# Altium PCB PCB_Power_Distribution.PcbDoc (part 3 of 3)
Units mm, origin at the board's own origin, x right, y up, seen from the top; angles counter-clockwise.
Board outline 80 x 80 mm, 4 copper layers (Top Layer, GND, POWER, Bottom Layer), stack 1.527 mm thick; 206 components, 111 nets, 596 pads, 345 vias.
Unrouted connection lines stored in the file: 3.
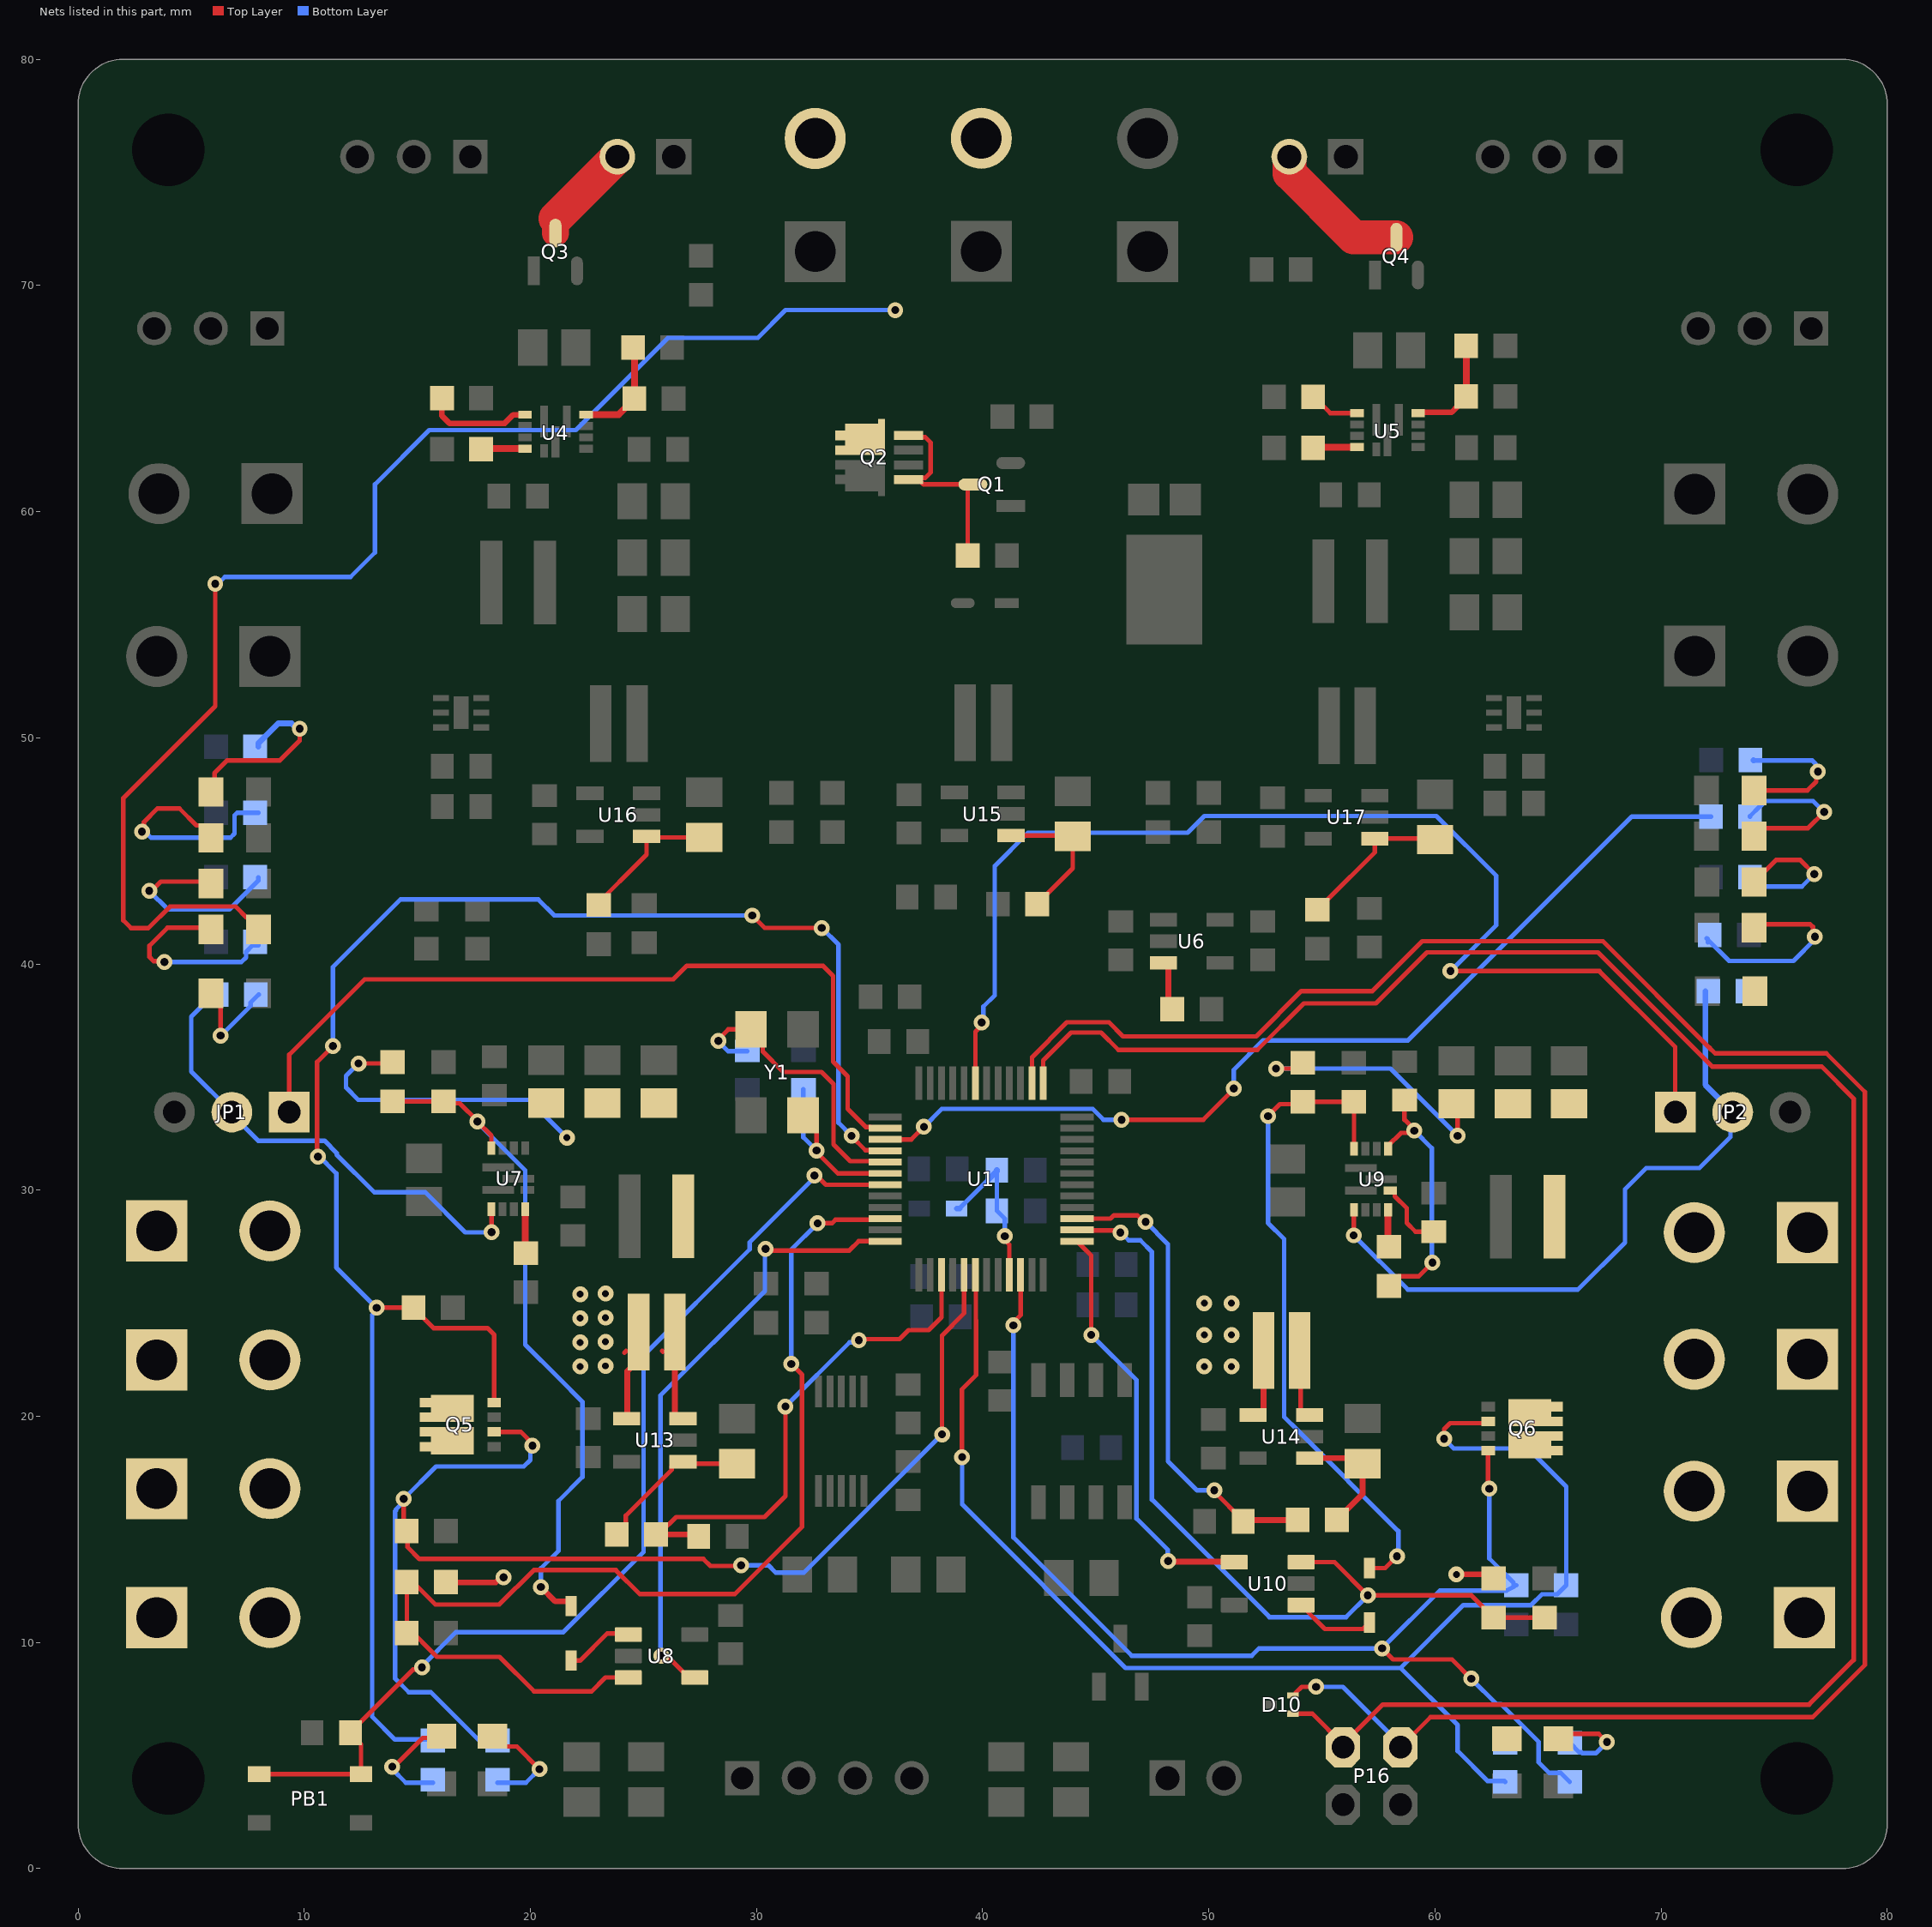
[diagram p5: the nets of this part, all layers, seen from the top]

## Via types
v1: diameter 0.7, hole 0.35, Top Layer to Bottom Layer, 200 vias
v2: diameter 0.7, hole 0.3, Top Layer to Bottom Layer, 132 vias
v3: diameter 0.8, hole 0.4, Top Layer to Bottom Layer, 13 vias

## Nets (pads, with @x,y where several pads share a name; then routed paths per layer and width w, separated by ;. In a path a pad name is that pad's centre, name@x,y a point inside that pad or via, vN(x,y) a via of type N, cw(c..) or ccw(c..) an arc to the next point about the centre after c; other vN are vias at no path point) (continued)
NetC38_2: C38.2 U9.7 | length 3.2
  Top Layer w0.2: U9.7@58.021,29.98 58.146,29.98 58.221,29.905 58.221,29.729 58.748,29.202 58.748,28.553 59.14,28.16 C38.2@59.949,28.16
NetC43_2: C43.2 R47.1 U9.9 | length 11.6
  Top Layer w0.2: U9.9@57.921,31.83 57.921,31.955 58.498,32.532 58.988,32.532 v1(59.084,32.628) 59.084,32.677 58.649,33.112 C43.2@58.649,33.975 ; R47.1@57.957,25.763 58.382,26.188 59.275,26.188 v1(59.885,26.798)
  Bottom Layer w0.2: v1(59.084,32.628) 59.854,31.858 v1@59.854,26.844
NetD1_2: D1.2 R2.1 | length 7.1
  Top Layer w0.2: D1.2@74.111,45.716 D1.2@74.265,45.87 ; D1.2@74.442,46.003 76.491,46.003 v1(77.205,46.717)
  Bottom Layer w0.2: R2.1@73.926,46.517 73.926,46.532 74.351,46.957 74.366,46.957 74.618,47.208 76.714,47.208 v1(77.205,46.717)
NetD3_2: D3.2 R24.1 | length 9.1
  Top Layer w0.2: v1(3.816,40.085) 3.779,40.123 3.335,40.123 3.157,40.301 3.157,40.807 3.95,41.599 5.808,41.599 D3.2@5.878,41.529
  Bottom Layer w0.2: v1(3.816,40.085) 7.224,40.085 7.428,40.289 7.428,40.536 7.718,40.826 7.965,40.826 R24.1@7.965,40.976
NetD4_2: D4.2 R25.1 | length 8.8
  Top Layer w0.2: v1(3.147,43.23) 3.251,43.23 3.659,43.637 5.824,43.637 D4.2@5.878,43.583
  Bottom Layer w0.2: v1(3.147,43.23) 3.973,42.404 6.689,42.404 7.965,43.68 R25.1@7.965,43.83
NetD5_2: D5.2 R26.1 | length 10.5
  Top Layer w0.2: v1(2.824,45.845) 2.912,45.933 2.912,46.276 3.508,46.871 4.483,46.871 5.227,46.126 5.428,46.126 5.878,45.676 D5.2@5.878,45.576
  Bottom Layer w0.2: v1(2.824,45.845) 2.959,45.845 3.219,45.584 6.739,45.584 6.915,45.76 6.915,46.567 7.032,46.684 R26.1@7.965,46.684
NetD6_2: D6.2 R27.1 | length 9
  Top Layer w0.2: D6.2@74.146,41.603 74.296,41.753 76.592,41.753 76.709,41.636 76.709,41.29 v1(76.796,41.203)
  Bottom Layer w0.2: R27.1@72.01,41.125 73,40.136 75.844,40.136 76.796,41.088 v1(76.796,41.203) ; R27.1@72.061,40.958 R27.1@72.061,41.108
NetD7_2: D7.2 R29.1 | length 6.6
  Top Layer w0.2: D7.2@74.111,43.625 75.087,44.6 76.141,44.6 v1(76.77,43.971)
  Bottom Layer w0.2: R29.1@73.926,43.842 74.348,43.42 76.22,43.42 v1(76.77,43.971)
NetD11_2: D11.2 R34.1 | length 8.2
  Top Layer w0.2: D11.2@5.878,47.6 6.033,47.755 6.033,48.433 6.6,49 8.929,49 9.8,49.871 v1(9.8,50.4)
  Bottom Layer w0.254: R34.1@7.965,49.6 7.965,49.75 8.851,50.636 9.443,50.636 9.679,50.4 v1(9.8,50.4)
NetD12_2: D12.2 R36.1 | length 4.6
  Top Layer w0.2: D12.2@5.9,38.7 6.301,38.299 v1(6.301,36.831)
  Bottom Layer w0.2: v1(6.301,36.831) 6.32,36.831 7.629,38.14 7.629,38.29 R36.1@7.987,38.648
NetD13_A: D13.A U8.1 | length 3
  Top Layer w0.2: D13.A@21.8,9.2 22.2,9.2 23.4,10.4 24.275,10.4 U8.1@24.325,10.35
NetD14_2: D14.2 R41.1 | length 4.9
  Top Layer w0.2: v1(13.892,4.509) 13.965,4.509 15.238,5.782 16.003,5.782 D14.2@16.071,5.85
  Bottom Layer w0.2: v1(13.892,4.509) 13.892,4.398 14.49,3.8 R41.1@15.689,3.8
NetD15_2: D15.2 R42.1 | length 4.8
  Top Layer w0.2: D15.2@18.325,5.85 18.775,5.4 19.4,5.4 v1(20.4,4.4)
  Bottom Layer w0.2: R42.1@18.543,3.8 19.8,3.8 v1(20.4,4.4)
NetD16_2: D16.2 R44.1 | length 6.6
  Top Layer w0.2: D16.2@74.111,47.667 76.462,47.667 76.854,48.059 76.854,48.429 v1(76.929,48.504)
  Bottom Layer w0.2: R44.1@74.089,49 76.672,49 76.833,48.838 76.833,48.6 v1(76.929,48.504)
  Bottom Layer w0.254: R44.1@74.077,49.012 R44.1@74.089,49
NetD17_2: D17.2 R46.1
NetD18_A: D18.A U10.1 | length 3.6
  Top Layer w0.2: U10.1@54.075,11.65 55.132,10.593 56.213,10.593 56.819,10.593 D18.A@57.102,10.877
NetD19_2: D19.2 R51.1
NetD20_2: D20.2 R52.1 | length 4.4
  Top Layer w0.2: D20.2@65.454,5.75 65.665,5.961 67.233,5.961 67.594,5.6 v1(67.6,5.6)
  Bottom Layer w0.2: R52.1@65.954,5.565 66.379,5.14 66.475,5.14 66.511,5.104 67.104,5.104 v1(67.6,5.6)
NetJP1_2: JP1.2 R36.2 U7.3 | length 21.2
  Top Layer w0.2: U7.3@18.272,29.154 18.279,29.147 18.279,28.153 v1(18.287,28.146)
  Bottom Layer w0.2: R36.2@5.987,38.648 5.006,37.666 5.006,36.464 5.006,35.243 JP1.2@6.8,33.448 6.8,33.349 7.965,32.183 10.893,32.183 11.436,31.64 11.436,31.564 13.096,29.904 15.351,29.904 17.121,28.135 18.276,28.135 v1(18.287,28.146)
NetJP2_2: JP2.2 R46.2 U9.3 | length 30.5
  Top Layer w0.2: v1(56.4,28) 56.41,28.01 56.41,29.119 U9.3@56.421,29.13
  Bottom Layer w0.2: v1(56.4,28) 58.8,25.6 66.314,25.6 68.396,27.682 68.396,30.036 69.336,30.976 71.69,30.976 73.062,32.348 73.062,32.709 72.839,32.932 72.644,32.932 72.644,33.225 JP2.2@72.421,33.448 ; R46.2@71.95,38.65 R46.2@71.95,38.8
  Bottom Layer w0.254: R46.2@71.95,38.8 71.95,34.658 JP2.2@73.16,33.448
NetP10_2: P10.2 Q3.3 | length 4.5
  Top Layer w1.2: Q3.3@21.108,72.311 21.108,72.953
  Top Layer w1.5: 21.108,72.953 P10.2@23.845,75.69
NetP15_2: P15.2 Q4.3 | length 6.6
  Top Layer w1.5: P15.2@53.555,75.69 53.569,75.676 53.569,74.952 56.391,72.131 Q4.3@58.29,72.131
NetP17_N: P17.N P18.N Q5.6
NetP19_N: P19.N P20.N Q5.8
NetP21_N: P21.N P22.N Q6.6
NetP23_N: P23.N P24.N Q6.8
NetQ1_3: Q1.3 Q2.1 Q2.3 R17.1 | length 8.7
  Top Layer w0.2: Q2.1@36.725,61.415 Q2.1@37.17,61.415 ; Q2.3@36.725,63.365 36.798,63.292 37.455,63.292 37.697,63.05 37.697,61.73 37.455,61.488 Q2.1@37.17,61.488 ; Q2.1@37.147,61.415 Q2.1@37.17,61.415 ; Q1.3@39.25,61.2 37.385,61.2 Q2.1@37.17,61.415 ; R17.1@39.336,58.052 Q1.3@39.336,61.055
NetR13_2: R13.2 U4.3 | length 4.7
  Top Layer w0.25: R13.2@16.092,65.009 16.092,64.234 16.421,63.904 18.864,63.904 19.243,64.282 U4.3@19.761,64.282
NetR16_2: R16.2 R19.1 U4.12 | length 4.7
  Top Layer w0.3: U4.12@22.461,64.282 23.897,64.282 24.6,64.985 R19.1@24.6,65 24.6,67.189 R16.2@24.535,67.254
NetR18_2: R18.2 U4.6 | length 2
  Top Layer w0.3: R18.2@17.822,62.754 17.85,62.782 U4.6@19.761,62.782
NetR20_2: R20.2 U5.3 | length 2.2
  Top Layer w0.2: R20.2@54.611,65.076 54.611,65.061 55.036,64.636 55.084,64.636 55.37,64.35 U5.3@56.55,64.35
NetR22_2: R22.2 R28.1 U5.12 | length 4.7
  Top Layer w0.25: U5.12@59.25,64.35 59.289,64.389 60.735,64.389 60.989,64.644 60.989,64.653 R28.1@61.381,65.044
  Top Layer w0.3: R22.2@61.381,67.322 61.381,65.076 R28.1@61.389,65.068
NetR23_2: R23.2 U5.6 | length 2
  Top Layer w0.3: R23.2@54.611,62.822 54.639,62.85 U5.6@56.55,62.85
NetR30_2: R30.2 U6.3 | length 2.2
  Top Layer w0.254: U6.3@47.997,40.05 48.034,40.05 48.207,39.877 48.207,38.175 R30.2@48.382,38
NetR37_2: R37.2 U7.6 | length 2
  Top Layer w0.3: U7.6@19.772,29.154 19.772,27.243 R37.2@19.8,27.215
NetR47_2: R47.2 U9.6 | length 2
  Top Layer w0.3: U9.6@57.921,29.13 57.921,27.219 R47.2@57.949,27.19
NetR63_2: R63.2 R65.2 U13.1 | length 6.4
  Top Layer w0.2: R63.2@23.822,14.781 24.22,15.179 24.22,15.612 26.249,17.641 26.249,17.795 26.354,17.9 28.549,17.9 R65.2@28.595,17.854
NetR64_2: R64.2 R66.2 U14.1 | length 5.7
  Top Layer w0.254: U14.1@54.45,18.15 56.549,18.15 R66.2@56.795,17.904 ; R64.2@55.659,15.414 55.659,15.429 56.795,16.565 R66.2@56.795,17.904 ; R66.2@57,18 56.904,17.904 R66.2@56.795,17.904
NetR67_2: R67.2 R69.2 U15.1 | length 6.5
  Top Layer w0.2: U15.1@41.25,45.68 41.28,45.68 41.4,45.8 41.52,45.68 43.938,45.68 R69.2@43.984,45.635 43.984,44.234 42.405,42.655 R67.2@42.405,42.64
NetR68_2: R68.2 R70.2 U16.1 | length 6.8
  Top Layer w0.2: R68.2@22.684,42.4 22.699,42.4 25.135,44.836 U16.1@25.135,45.641 25.181,45.595 R70.2@27.684,45.595
NetR71_2: R71.2 R72.2 U17.1 | length 6.9
  Top Layer w0.2: R71.2@54.8,42.4 54.815,42.4 55.24,42.825 55.24,42.84 57.335,44.935 U17.1@57.335,45.541 59.954,45.541 R72.2@60,45.495
NRST: C11.2 PB1.1 U1.7 | length 45.9
  Top Layer w0.2: PB1.1@8.01,4.176 PB1.1@12.51,4.176 12.51,5.49 12.05,5.95 12.05,6.05 14.802,8.802 15.109,8.802 v1(15.204,8.897) ; v1(32.555,30.646) 32.661,30.646 33.068,30.239 U1.7@35.688,30.239
  Bottom Layer w0.2: v1(15.204,8.897) 15.204,8.951 16.712,10.458 21.458,10.458 25,14 25,22.685 29.696,27.381 29.696,27.692 32.555,30.551 v1(32.555,30.646)
OSC_IN: C10.1 U1.5 Y1.3 | length 13.4
  Top Layer w0.2: v1(28.312,36.6) 28.312,36.668 28.752,37.108 Y1.3@29.752,37.108 30.277,36.583 30.277,36.125 31.176,35.227 32.869,35.227 33.401,34.694 33.401,32.015 34.138,31.278 35.051,31.278 35.09,31.239 U1.5@35.688,31.239
  Bottom Layer w0.2: v1(28.312,36.6) 28.312,36.571 28.74,36.143 C10.1@29.582,36.143
OSC_OUT: C12.1 U1.6 Y1.1 | length 8.2
  Top Layer w0.2: Y1.1@32.052,33.308 32.652,32.708 v1(32.652,31.749) ; v1(32.652,31.749) 32.652,31.683 33.596,30.739 U1.6@35.688,30.739
  Bottom Layer w0.2: C12.1@32.07,34.45 32.07,32.331 v1(32.652,31.749)
Pyro1_ASensing: C51.2 R63.1 U1.15 | length 22.2
  Top Layer w0.2: R63.1@25.75,14.85 26.445,15.545 30.348,15.545 31.278,16.475 v1(31.278,20.431) ; v1(34.521,23.364) 34.568,23.411 36.321,23.411 36.721,23.812 37.607,23.812 38.176,24.381 U1.15@38.176,26.251
  Top Layer w0.254: R63.1@25.552,14.781 25.75,14.781 27.093,14.781 C51.2@27.187,14.687
  Bottom Layer w0.2: v1(31.278,20.431) 34.116,23.269 34.425,23.269 v1(34.521,23.364)
Pyro1_Current+: C33.1 C34.1 C35.1 L3.2 R33.1 R35.1 U13.3 | length 17.6
  Top Layer w0.2: v1(12.4,35.6) 13.841,35.6 R35.1@13.9,35.659 ; 25.83,22.887 25.861,22.857
  Top Layer w0.254: R33.1@26.386,23.72 26.386,20.068 26.559,19.895 U13.3@26.749,19.895
  Bottom Layer w0.2: v1(12.4,35.6) 11.847,35.047 11.847,34.533 12.386,33.995 19.939,33.995 v2(21.615,32.318)
Pyro1_Current-: P17.P P18.P P19.P P20.P R33.2 R56.2 U13.4 | length 7.1
  Top Layer w0.2: U13.4@23.95,19.8 U13.4@24.15,20 ; 24.15,22.807 24.23,22.887
  Top Layer w0.254: R56.2@16.265,12.7 16.313,12.652 18.468,12.652 18.693,12.877 v1(18.814,12.877) ; U13.4@24.249,19.895 24.286,19.932 24.286,21.995 24.786,22.495 R33.2@24.786,23.72
  other v2: 22.2,22.2 23.322,22.226 22.2,23.267 23.322,23.293 22.2,24.333 23.322,24.359 22.2,25.4 23.322,25.426
Pyro1_DAC: U1.12 U8.4 | length 27.4
  Top Layer w0.2: v1(25.784,9.418) 25.88,9.323 26.127,9.323 27.054,8.396 U8.4@27.329,8.396 ; v1@30.4,27.382 30.451,27.331 34.106,27.331 34.513,27.739 U1.12@35.688,27.739
  Top Layer w0.254: U8.4@27.275,8.45 U8.4@27.329,8.396
  Bottom Layer w0.2: v1(25.784,9.418) 25.751,9.451 25.751,20.923 30.367,25.539 30.367,27.367 v1(30.4,27.4)
Pyro1_FB: D13.C R35.2 R38.1 U7.12 | length 30.6
  Top Layer w0.2: R35.2@13.9,33.929 R38.1@16.154,33.929 16.241,33.842 16.877,33.842 17.659,33.06 v1(17.659,33.03) 18.272,32.417 U7.12@18.272,31.854
  Top Layer w0.254: v1(20.465,12.452) 21.104,11.813 21.677,11.813 21.8,11.69 D13.C@21.8,11.613
  Bottom Layer w0.2: v1(17.659,33.03) 17.659,32.984 19.772,30.872 19.772,23.172 21.239,21.705 22.3,20.644 22.3,17.315 21.239,16.254 21.239,15.985 21.239,14.052 20.465,13.278 v1(20.465,12.452)
Pyro1_VSensing: R56.1 R61.1 U1.10 U8.3 | length 51
  Top Layer w0.2: U8.3@24.325,8.45 23.317,8.45 22.704,7.837 20.163,7.837 18.634,9.366 15.867,9.366 14.535,10.698 14.535,12.685 14.535,12.937 15.799,11.673 18.621,11.673 20.147,13.199 23.779,13.199 24.841,12.137 29.033,12.137 32.013,15.117 32.013,21.834 v1(31.533,22.314) ; v1(32.697,28.535) 33.335,28.535 33.493,28.693 35.642,28.693 U1.10@35.688,28.739
  Bottom Layer w0.2: v1(31.533,22.314) 31.533,27.371 v1(32.697,28.535)
Pyro1A_EN: Q5.4 R39.1 R41.2 U1.4 | length 81.4
  Top Layer w0.2: v1(10.601,31.479) 10.567,31.514 10.567,35.663 v1(11.27,36.367) ; v1(13.2,24.8) R39.1@14.835,24.8 14.835,24.785 15.72,23.9 18.1,23.9 18.4,23.6 Q5.4@18.4,20.611 ; v1(29.811,42.142) 30.359,41.594 v1@32.878,41.594 ; v1(34.2,32.4) 34.2,32.377 34.815,31.762 35.665,31.762 U1.4@35.688,31.739
  Bottom Layer w0.2: v1(10.601,31.479) 10.676,31.479 11.015,31.14 ; 11.015,31.139 11.416,30.739 11.416,26.584 v1(13.2,24.8) ; v1(11.27,36.367) 11.27,39.87 14.253,42.853 20.345,42.853 21.056,42.142 v1(29.811,42.142) ; v1@13.243,24.757 v1(13.2,24.8) ; R41.2@15.689,5.665 15.642,5.711 14.01,5.711 13.002,6.719 13.002,24.481 13.2,24.679 v1(13.2,24.8) ; v1(32.883,41.59) 33.623,40.849 33.623,32.977 v1(34.2,32.4)
Pyro1B_EN: Q5.2 R40.1 R42.2 U1.17 | length 59.1
  Top Layer w0.2: v1(14.398,16.349) 14.398,15.073 R40.1@14.535,14.937 14.567,14.904 14.567,14.214 15.088,13.693 27.651,13.693 27.957,13.386 29.287,13.386 v1(29.315,13.415) ; Q5.2@18.4,19.311 19.57,19.311 20.092,18.789 v1(20.092,18.705) ; v1(38.2,19.2) 38.2,23.57 39.176,24.546 U1.17@39.176,26.251
  Bottom Layer w0.2: R42.2@18.543,5.665 17.735,5.665 15.6,7.8 14.625,7.8 14.014,8.411 14.014,15.795 14.056,15.837 14.056,15.887 14.398,16.229 v1(14.398,16.349) 15.829,17.78 19.706,17.78 19.996,18.071 19.996,18.609 v1(20.092,18.705) ; v1(29.315,13.415) 30.523,13.415 30.853,13.084 32.084,13.084 v1(38.2,19.2)
Pyro1Reg_EN: JP1.1 U1.2 | length 36.5
  Top Layer w0.2: JP1.1@9.34,33.448 9.34,35.988 10.196,36.844 12.671,39.319 26.318,39.319 26.916,39.917 32.933,39.917 33.38,39.471 33.38,35.677 34.025,35.032 34.025,33.59 34.826,32.789 35.051,32.789 35.094,32.745 U1.2@35.682,32.745
Pyro2_ASensing: C52.2 R64.1 U1.27 | length 21.1
  Top Layer w0.2: U1.27@44.164,28.739 44.168,28.735 45.652,28.735 45.802,28.884 46.833,28.884 47.117,28.6 v1(47.2,28.6) ; v1(50.24,16.726) 50.24,16.674 51.514,15.399 C52.2@51.514,15.349
  Top Layer w0.254: C52.2@51.514,15.349 51.579,15.414 R64.1@53.929,15.414
  Bottom Layer w0.2: v1(47.2,28.6) 48.194,27.606 48.194,18.011 49.478,16.726 v1(50.24,16.726)
Pyro2_Current+: C40.1 C41.1 C42.1 L4.2 R43.1 R45.1 U14.3 | length 15.1
  Top Layer w0.2: v1(52.972,35.371) 53.886,35.371 R45.1@54.149,35.634 ; R43.1@54.014,22.914 54.062,22.866 54.062,20.25 54.262,20.05 U14.3@54.45,20.05 ; C40.1@60.949,33.819 61,33.768 v1(61,32.4)
  Bottom Layer w0.2: v1(52.972,35.371) 58.029,35.371 v1(61,32.4)
Pyro2_Current-: P21.P P22.P P23.P P24.P R43.2 R57.2 U14.4 | length 5.1
  Top Layer w0.2: R43.2@52.339,22.839 R43.2@52.414,22.914
  Top Layer w0.254: U14.4@51.95,20.05 52.241,20.05 52.414,20.223 R43.2@52.414,22.914 ; v2(60.942,13.01) 62.408,13.01 R57.2@62.586,12.833
  other v2: 49.8,22.2 51,22.2 49.8,23.6 51,23.6 49.8,25 51,25
Pyro2_DAC: U1.25 U10.4 | length 18.8
  Top Layer w0.2: U1.25@44.164,27.739 44.8,27.103 v1(44.8,23.6)
  Top Layer w0.254: v1(48.2,13.6) 48.225,13.575 51.1,13.575 U10.4@51.125,13.55
  Bottom Layer w0.2: v1(44.8,23.6) 46.8,21.6 46.8,16.358 46.801,16.357 46.801,15.479 48.18,14.1 48.18,13.635 v1@48.208,13.608
Pyro2_FB: D18.C R45.2 R48.1 U9.12 | length 29.3
  Top Layer w0.2: v1(52.614,33.269) 53.144,33.8 54.045,33.8 R45.2@54.149,33.904 R48.1@56.403,33.904 56.421,33.886 U9.12@56.421,31.83 ; D18.C@57.102,13.29 57.794,13.29 v1(58.316,13.812)
  Bottom Layer w0.2: v1(52.614,33.269) 52.614,28.556 53.331,27.839 53.331,19.969 53.933,19.367 58.377,14.923 v1@58.377,13.908
Pyro2_VSensing: R57.1 R62.1 U1.26 U10.3 | length 37.9
  Top Layer w0.2: U1.26@44.8,28.217 44.802,28.216 45.797,28.216 45.886,28.127 v1(46.086,28.127) ; U10.3@54.075,13.55 55.557,13.55 v1(57.027,12.08) 61.609,12.08 R57.1@62.586,11.103 R62.1@64.84,11.103
  Bottom Layer w0.2: v1(46.086,28.127) 46.108,28.127 46.454,27.781 46.969,27.781 47.484,27.266 47.484,16.316 52.678,11.122 56.068,11.122 v1(57.027,12.08)
Pyro2A_EN: Q6.2 R49.1 R51.2 U1.18 | length 62.2
  Top Layer w0.2: v1@39.083,18.2 39.083,21.195 39.704,21.816 39.704,24.247 39.7,24.251 39.7,26.227 U1.18@39.676,26.251 ; v1(60.4,19) 60.4,19.426 60.667,19.694 62.263,19.694 Q6.2@62.346,19.777
  Bottom Layer w0.2: v1(39.087,18.196) 39.087,16.106 46.32,8.873 58.473,8.873 ; v1(60.4,19) 60.827,18.573 64.118,18.573 65.8,16.892 R49.1@65.8,12.53 65.402,12.132 64.729,12.132 64.249,11.652 61.252,11.652 58.473,8.873 ; R51.2@63.1,3.835 63.063,3.872 62.328,3.872 61,5.2 61,6.347 58.473,8.873
Pyro2B_EN: Q6.4 R50.1 R52.2 U1.22 | length 55.1
  Top Layer w0.2: v1(41.356,24.021) 41.356,24.157 41.676,24.477 U1.22@41.676,26.251 ; v1(57.656,9.738) 58.146,9.249 60.751,9.249 v1(61.6,8.4) ; Q6.4@62.346,18.477 62.346,16.854 v1(62.4,16.8)
  Bottom Layer w0.2: v1(41.356,24.021) 41.356,14.646 46.59,9.411 51.892,9.411 52.219,9.738 v1(57.656,9.738) 60.21,12.292 63.16,12.292 R50.1@63.5,12.476 ; v1(61.6,8.4) 62.73,7.27 62.922,7.27 64.579,5.613 64.579,4.7 65.046,4.233 65.556,4.233 R52.2@65.954,3.835 ; v1(62.4,16.8) 62.4,13.715 63.471,12.644 63.471,12.53 R50.1@63.6,12.53
Pyro2Reg_EN: JP2.1 U1.43 | length 53.4
  Top Layer w0.2: U1.43@39.676,34.727 39.676,37.002 39.948,37.274 v1(39.948,37.409) ; v1(60.679,39.684) 67.267,39.684 70.62,36.331 JP2.1@70.62,33.448
  Bottom Layer w0.2: v1(39.948,37.409) 40.031,37.492 40.031,38.111 40.528,38.609 40.528,44.329 41.999,45.8 49.058,45.8 49.8,46.542 60.058,46.542 62.7,43.9 62.7,41.705 v1(60.679,39.684)
SWCLK: D10.2 P16.1 U1.38 | length 96.9
  Top Layer w0.2: U1.38@42.176,34.727 42.176,35.874 43.72,37.417 45.583,37.417 46.2,36.8 52.088,36.8 54.088,38.8 57.231,38.8 59.438,41.007 67.425,41.007 72.14,36.291 ; D10.2@53.724,7.658 53.849,7.658 53.849,7.783 54.104,8.038 v1(54.742,8.038) ; P16.1@58.47,5.37 59.8,6.7 76.705,6.7 79.005,9 79.005,34.339 77.298,36.046 72.377,36.046 72.14,36.283
  Bottom Layer w0.2: v1(54.742,8.038) 55.929,8.038 58.47,5.497 P16.1@58.47,5.37
SWDIO: D10.1 P16.3 U1.37 | length 94
  Top Layer w0.2: U1.37@42.676,34.727 42.676,35.732 43.908,36.963 45.237,36.963 46,36.2 52.142,36.2 54.198,38.256 57.38,38.256 59.637,40.513 67.2,40.513 72.249,35.464 77.091,35.464 78.509,34.046 78.509,9.226 76.537,7.254 57.687,7.254 P16.3@55.93,5.497 ; D10.1@53.716,6.85 54.577,6.85 P16.3@55.93,5.497 ; P16.3@55.93,5.37 P16.3@55.93,5.497
Test_LED1: R2.2 U1.3 | length 43.3
  Top Layer w0.2: U1.3@35.688,32.239 36.839,32.239 v1(37.4,32.8) ; v1(46.138,33.11) 49.75,33.11 51.101,34.462 v1(51.101,34.496)
  Bottom Layer w0.2: v1(37.4,32.8) 38.191,33.591 44.861,33.591 45.342,33.11 v1(46.138,33.11) ; v1(51.101,34.496) 51.101,35.321 52.4,36.62 58.809,36.62 68.706,46.517 69.982,46.517 R2.2@72.196,46.517
VDDA: C8.2 C9.2 FB1.2 U1.21 | length 7.3
  Top Layer w0.2: v1@40.977,27.926 40.977,27.791 41.176,27.591 U1.21@41.176,26.251
  Bottom Layer w0.2: FB1.2@38.976,29.189 C8.2@40.253,30.466 ; C8.2@40.626,30.839 C9.2@40.626,29.089 40.977,28.738 v1@40.977,27.926
  Bottom Layer w0.254: FB1.2@38.851,29.189 FB1.2@38.976,29.189 ; C8.2@40.253,30.466 40.626,30.839 C8.2@40.626,30.889
  other v1: 40.977,27.965
VS_GND: D3.1 P12.N P14.N Q2.5 | length 60.4
  Top Layer w0.2: v1(6.065,56.806) 6.065,51.4 2.001,47.336 2.001,41.923 2.343,41.581 3.108,41.581 4.067,42.54 6.966,42.54 7.455,42.052 7.555,42.052 7.978,41.629 D3.1@7.978,41.529
  Bottom Layer w0.2: v1(6.065,56.806) 6.186,56.806 6.49,57.11 12.045,57.11 13.126,58.191 13.126,61.201 15.532,63.607 22.004,63.607 26.078,67.681 30.055,67.681 31.284,68.909 v1(36.133,68.909)
pads on no net: Q2.2 U1.16 U1.32 U1.42 U1.46 U4.4 U4.5 U4.10 U5.4 U5.5 U5.10 U6.4 U7.4 U7.5 U7.10 U9.4 U9.5 U9.10 U11.2 U11.Z1 U12.2 U12.Z1

## Polygon pours and split planes (outlines as drawn)
VS_GND on Top Layer "+11VS" (solid, pour order 180): 30,62.45 36.77,62.45 41.544,62.414 41.544,78.937 30,78.933
+11VU on Top Layer "+11VU" (solid, pour order 181): 41.8,61.008 40.5,61.008 40.5,59.49 41.8,59.49 50.4,59.49 50.4,78.933 41.8,78.939
GND on Top Layer "GND_U6_1" (solid, pour order 152): 19.001,30.718 18.645,30.718 18.645,30.639 17.413,30.639 11.4,30.639 11.4,32.468 11.4,34.376 12.956,34.376 12.956,32.468 17.892,32.468 17.892,31.428 18.508,31.428 18.508,32.274 19.001,32.274 19.001,31.428
Pyro2_Current+ on Top Layer "DroguePyro_Current+" (solid, pour order 182): 53.459,21.096 56.8,21.096 56.8,22.249 66.16,22.288 66.16,25.4 68.4,25.4 68.4,34.497 59.933,34.497 59.933,31.688 64.312,31.688 64.312,25.92 56.8,25.92 56.8,24.538 56.8,26 53.459,26
+11V_Pyro1 on Top Layer "+11V_PyroMain" (solid, pour order 171): 19.272,30.296 12.375,30.296 12.375,25.832 17.622,25.832 17.622,29.517 19.272,29.517
GND on Top Layer "GND_U6_2" (solid, pour order 168): 27.54,34.794 15.254,34.794 15.254,36.855 13.107,36.855 13.107,39.064 21.8,39.064 21.8,38.088 27.54,38.088
GND on Top Layer "GND_full" (solid, pour order 197): 15.555,14.037 22.783,14.037 22.783,17.315 21.848,17.315 21.848,18.881 23.5,18.881 23.5,21.006 18.047,21.006 18.047,16.707 15.594,16.707 15.555,16.667
GND on Top Layer "GND_full" (solid, pour order 195): 56.945,16.052 56.938,18.8 56.938,22.075 62.8,22.075 62.8,17.77 61.4,17.77 61.4,16.041
GND on Top Layer "GND_U5_1" (solid, pour order 176): 58.058,64.051 58.198,64.051 58.198,63.352 58.812,63.352 58.812,64.706 59.997,64.706 59.997,64.836 59.997,68.357 63.4,68.357 63.4,74.203 58.058,74.203
GND on Top Layer "GND_U4_1" (solid, pour order 174): 21.316,63.985 21.433,63.985 21.433,63.286 22.004,63.286 22.004,64.594 23.255,64.594 23.255,64.77 23.255,68.291 28.611,68.291 28.611,71.247 21.316,71.247
11V_Current- on Top Layer "11V Entrada 5V" (solid, pour order 154): 21,66.146 21.111,66.146 21.111,63.93 20.798,63.93 20.798,63.286 20.307,63.286 20.307,64.714 18.757,64.714 18.757,65.909 18.757,64.109 17.2,64.109 17.2,66 10.025,66 10.025,69.763 21,69.763
11V_Current+ on Top Layer "Top Layer-11V_Current+" (solid, pour order 184): 40.25,48.479 50.8,48.479 50.8,59.262 43.378,59.262 40.25,59.262
11V_Current- on Top Layer "11V_Current -" (solid, pour order 153): 39.724,52.311 39.724,54.972 29.577,54.972 29.577,48.476 39.724,48.476
GND on Top Layer "GND_full" (solid, pour order 200): 30,55.306 40.091,55.306 40.091,57.2 38.401,57.2 38.401,60.787 35.947,60.787 35.947,62.325 30,62.325
3V3_Current- on Top Layer "3V3 Top" (solid, pour order 160): 55.8,53.112 51.036,53.112 51.036,48.486 55.8,48.486
Pyro1_Current+ on Top Layer "Main Pyro pre sensado" (solid, pour order 173): 25.571,20.937 27.312,20.937 27.4,20.937 29.315,20.937 29.315,28.224 28.886,28.224 28.886,32.516 28.312,32.516 28.312,34.649 19.884,34.649 19.884,32.516 20.244,32.516 20.244,31.505 20.955,31.505 21.042,31.505 25.571,31.505 25.571,26.362
NetP19_N on Top Layer "Main Pyro Redundant" (solid, pour order 163): 5.638,19.509 5.638,7.542 5.638,7.195 13.002,7.195 13.002,17.032 17.712,17.032 17.712,19.509
NetP17_N on Top Layer "Main Pyro" (solid, pour order 164): 5.645,30.46 5.645,19.72 17.707,19.72 17.707,23.2 12,23.2 12,23.4 12,30.8 5.645,30.8
Pyro1_Current- on Top Layer "Main Pyro post sensado" (solid, pour order 167): 25.41,26.211 21,26.211 21,21.134 25.41,21.134
NetP21_N on Top Layer "Salida Drogue Redundant" (solid, pour order 161): 63.078,19.34 74.507,19.34 74.507,7.878 65.6,7.878 65.6,16 65.4,16 63.078,16
3V3_Current+ on Top Layer "3V3 pre sensado" (solid, pour order 159): 55.559,54.7 55.559,59.859 51.031,59.859 51.031,53.233 56.364,53.233 56.364,48.479 61,48.479 61,49.2 61,53.582 61.987,53.582 61.987,61.326 58.989,61.326 58.989,54.7
5V_Current- on Top Layer "5V Top" (solid, pour order 157): 23.915,48.505 19.6,48.505 19.6,52.689 19.711,52.689 23.915,52.689
5V_Current+ on Top Layer "5V pre sensado" (solid, pour order 156): 18.862,59.6 11.2,59.6 11.2,52.8 24.224,52.8 24.224,48.472 29.378,48.472 29.378,54.459 28.979,54.459 25.172,54.459 25.172,61.47 22.454,61.47 22.454,54.709 22.092,54.709 18.862,54.709
NetP23_N on Top Layer "Salida Drogue" (solid, pour order 162): 63.084,19.534 63.084,22.074 66.4,22.074 66.4,25 66.4,25.152 68.6,25.152 68.6,30.729 74.496,30.729 74.496,19.534
11V_Current- on Top Layer "11V Entrada 3V3" (solid, pour order 158): 57.911,63.193 56.919,63.193 56.919,64.748 56.386,64.748 55.571,64.748 55.571,66.109 53.748,66.109 53.748,63.832 50.585,63.832 50.585,69.409 57.911,69.409 57.911,67.832 57.911,66.493
GND on Top Layer "GND_U4_2" (solid, pour order 175): 22.161,63.422 25.657,63.422 25.657,54.618 29.378,54.618 29.378,65.9 27.215,65.9 25.465,65.9 25.465,63.989 22.161,63.989
GND on Top Layer "GND_U5_2" (solid, pour order 177): 58.938,63.527 62.433,63.527 62.433,53.609 69.319,53.609 69.319,66.05 63.992,66.05 62.242,66.05 62.242,64.139 58.938,64.139
GND on Top Layer "GND_U8_2" (solid, pour order 169): 55.503,36.569 55.503,34.769 67.2,34.769 67.2,39.052 61,39.052 61,37.8 55.503,37.8
Pyro2_Current- on Top Layer "Drogue Pyro post sensado" (solid, pour order 166): 53.214,25.986 53.2,26 49,26 49,21 49,20.964 53.214,20.964
GND on Top Layer "GND_U8_1" (solid, pour order 172): 57.158,31.403 57.158,32.221 56.674,32.221 56.674,31.403 55.679,31.403 55.679,32.275 54.903,32.275 49.064,32.275 49.064,30.525 55.346,30.525 55.346,30.739 57.324,30.739 57.324,31.403
+11V_Pyro_2 on Top Layer "+11V_Pyro_Drogue" (solid, pour order 170): 57.147,30.329 49.059,30.329 49.059,26.353 55.717,26.353 55.717,29.554 57.147,29.554
NetC31_1 on Top Layer "Main Pyro prefiltrado" (solid, pour order 179): 18.771,30.331 20.301,30.331 20.301,29.838 20.702,29.838 20.702,29.565 20.702,29.056 22.76,29.056 22.76,26.505 25.325,26.505 25.325,26.629 25.325,31.281 19.49,31.281 19.49,30.7 18.771,30.699
NetC23_1 on Top Layer "3V3 pre filtrado" (solid, pour order 178): 58.077,63.907 57.725,63.907 57.725,61.945 56.209,61.945 56.209,55.031 58.813,55.031 58.813,63.216 58.077,63.216
NetC17_1 on Top Layer "5V pre filtrado" (solid, pour order 155): 21.291,63.779 20.937,63.779 20.937,61.818 19.403,61.818 19.403,54.904 22.2,54.904 22.2,61.962 22.038,61.962 22.038,63.148 21.291,63.148
NetC38_1 on Top Layer "Drogue Pyro pre sensado" (solid, pour order 165): 57.569,30.121 58.806,30.121 58.806,28.897 61.021,28.897 61.021,26.105 64.049,26.105 64.049,30.875 64.049,31.4 60.65,31.4 57.569,31.4
5V_Current- on POWER "POWER-5V_Current-" (solid, pour order 189): 7.217,56.861 12.8,56.861 12.8,39.063 19.172,39.063 19.172,26.646 24.019,26.646 24.019,20.967 19.172,20.967 19.172,7.33 27.384,7.33 30.6,7.33 30.6,9.4 30.412,9.4 30.2,9.4 28.6,9.4 28.6,31.563 32.5,31.563 32.509,31.554 32.649,31.695 32.649,41.318 50,41.318 50,44 54.421,44 54.421,33.233 44.521,33.233 44.521,23.328 38.811,23.328 38.811,16.2 45.677,16.2 45.677,11.4 50.17,11.4 50.17,19.756 48.753,19.756 48.753,26.532 57.603,26.532 57.603,49.4 22.2,49.4 22.2,54.817 22.2,65.795 12.348,65.795 12.362,69.429 7.217,69.429 7.217,65.795
11V_Current+ on POWER "NONET_L-01_P-001" (solid, pour order 186): 30.4,73.6 46.425,73.6 46.425,53.639 34.608,53.639 34.608,62.6 30.4,62.6
+11V_Pyro_2 on POWER "POWER-+11V_Pyro_Drogue" (solid, pour order 188): 67.126,26.22 67.126,30.677 79.5,30.677 79.5,50.842 74.105,50.842 74.105,57.061 67.945,57.061 67.945,41.049 57.744,41.049 57.744,29.98 48.91,29.98 48.91,26.22
11V_Current- on POWER "POWER-11V_Current-" (solid, pour order 196): 6.976,69.6 12.5,69.6 12.5,66 22.359,66 22.359,55.012 22.359,49.6 49.293,49.6 49.293,61.443 63.817,61.443 63.817,70.6 74.107,70.6 74.107,50.995 79.5,50.995 79.5,78 ccw(c78,78) 78,79.5 2,79.5 ccw(c2,78) 0.5,78 0.5,50.995 6.4,50.995 6.4,56.736 6.976,56.736 6.976,66
Pyro1_Current- on POWER "11V Pyro Main" (solid, remove dead copper, pour order 194): 0.5,2 0.5,30.562 10.785,30.581 10.785,26.371 23.807,26.371 23.807,21.168 18.999,21.168 18.999,0.5 2,0.5 cw(c2,2)
Pyro2_Current- on POWER "POWER-Pyro2_Current-" (solid, pour order 201): 50.421,3.859 60,3.859 60,0.5 78,0.5 ccw(c78,2) 79.5,2 79.5,30.677 67.411,30.681 67.411,25.987 48.913,25.987 48.913,19.933 50.4,19.933 50.4,13.908 50.421,13.908
+11V_Pyro1 on POWER "11V Pyro Main" (solid, remove dead copper, pour order 192): 0.5,50.995 0.5,30.711 11.075,30.711 11.075,26.611 18.999,26.611 18.999,38.827 12.6,38.827 12.6,56.663 6.073,56.663 6.073,50.995
3V3_Current- on POWER "3V3" (solid, pour order 191): 49.4,49.288 57.606,49.288 57.606,41.006 57.8,41.2 67.8,41.2 67.8,57.085 74.098,57.085 74.098,70.4 64.042,70.4 64.042,61.304 49.4,61.304
+3V3_C on POWER "3V3_C" (solid, pour order 190): 59.855,0.524 59.855,4.1 50.2,4.1 50.2,11.197 45.497,11.197 45.497,4.1 45.497,15.93 38.618,15.93 38.618,23.509 44.384,23.509 44.384,33.507 54.288,33.507 54.288,44 50,44 50,41.318 32.652,41.318 32.652,31.683 27.387,31.683 27.387,7.33 19.175,7.33 19.175,0.524
5V_Current- on Bottom Layer "Bottom Layer-5V_Current-" (solid, pour order 193): 5.87,58.6 11.6,58.6 11.6,69.6 21.395,69.6 21.395,77.325 13.684,77.325 13.684,74 5.87,74
5V_Current- on Bottom Layer "5V" (solid, pour order 187): 66.144,77.777 66.144,68.977 75.076,68.977 75.076,66.366 78.4,66.366 78.4,73.2 73,73.2 73,77.777
GND on GND "GND" (solid, pour order 183): 2,79.5 78,79.5 cw(c78,78) 79.5,78 79.5,2 cw(c78,2) 78,0.5 2,0.5 cw(c2,2) 0.5,2 0.5,78 cw(c2,78)

## Silkscreen, mask and mechanical layers (free items; w line width, h text height)
Top Overlay:
  lines w0.1: 4.861,37.447 9.087,37.447 9.087,39.847 4.861,39.847 4.861,37.447 ; 4.86,40.462 9.087,40.462 9.087,48.582 4.86,48.582 4.86,40.462 ; 15.01,2.554 15.01,6.781 19.41,6.781 19.41,2.554 15.01,2.554 ; 62.076,2.503 62.076,6.73 66.476,6.73 66.476,2.503 62.076,2.503 ; 70.888,40.552 75.115,40.552 75.115,48.69 70.888,48.69 70.888,40.552 ; 70.89,37.481 75.116,37.481 75.116,39.881 70.89,39.881 70.89,37.481
  lines w0.2: 5.534,34.851 5.534,35.782 5.531,35.78 5.531,35.917 6.911,35.917 ; 9.637,35.897 10.744,35.897 10.744,34.873 ; 69.223,34.845 69.223,35.777 69.22,35.774 69.22,35.911 70.6,35.911 ; 73.326,35.891 74.433,35.891 74.433,34.868
  text "GND" at 22.881,72.06 h1
  text "11V" at 25.476,72.06 h1
  text "GND" at 52.686,72.04 h1
  text "11V" at 55.305,72.04 h1.1
  text "3V3" at 11.375,71.945 h1.1
  text "GND" at 13.96,71.945 h1
  text "5V" at 16.539,71.945 h1.1
  text "3V3" at 61.58,71.945 h1.1
  text "GND" at 64.165,71.945 h1
  text "5V" at 66.744,71.945 h1.1
  text "BATTERY 1" at 29.89,67.695 h1.1
  text "BATTERY 2" at 37.25,67.695 h1.1
  text "UMBILLICAL" at 44.59,67.695 h1.05
  text "3V3" at 2.4,64.35 h1.1
  text "GND" at 4.985,64.35 h1
  text "5V" at 7.564,64.35 h1.1
  text "3V3" at 70.8,64.35 h1.1
  text "GND" at 73.289,64.35 h1
  text "5V" at 75.711,64.35 h1.1
  text "AVIONICS 3V3" at 68.87,58.164 h1.1 r90
  text "AVIONICS 5V" at 12.855,58.095 h1.1 r90
  text "GND" at 2.661,56.845 h1
  text "5V" at 7.78,56.845 h1.1
  text "3V3" at 70.69,56.816 h1.1
  text "GND" at 75.571,56.816 h1
  text "PYRO 2  RBF" at 68.854,51.005 h1.1 r90
  text "PYRO 1  RBF" at 12.755,50.91 h1.1 r90
  text "Pyro 2 RBF" at 67.429,46.868 h0.8
  text "Pyro 2 RBF" at 9.075,46.781 h0.9
  text "Test LED" at 67.436,44.88 h0.8
  text "11V" at 9.075,44.781 h0.9
  text "5V" at 67.413,42.867 h0.9
  text "11V Umbilical" at 9.048,42.725 h0.9
  text "3V3" at 67.419,40.823 h0.9
  text "11V Batteries" at 8.968,40.725 h0.9
  text "Pyro 2 ENABLE" at 67.436,37.449 h0.9
  text "Pyro 1 ENABLE" at 9.114,37.409 h0.9
  text "ARMED" at 6.109,35.25 h0.9
  text "ARMED" at 69.909,35.25 h0.9
  text "PYRO 1" at 11.95,32.367 h0.7 r90
  text "PYRO 2" at 69.35,31.438 h0.7 r90
  text "PYROTECHNIC 2A" at 68.854,19.825 h1.1 r90
  text "PYROTECHNIC 1A" at 12.755,19.795 h1.1 r90
  text "-" at 2.561,8.745 h1.8 r180
  text "-" at 77.399,8.712 h1.8 r180
  text "+" at 7.661,8.455 h1.8 r180
  text "+" at 72.299,8.422 h1.8 r180
  text "PYROTECHNIC 1B" at 12.755,8.395 h1 r90
  text "PYROTECHNIC 2B" at 68.854,8.395 h1 r90
  text "B" at 18.221,8.214 h0.9
  text "A" at 15.174,7.81 h0.9
  text "A" at 62.295,7.606 h0.9
  text "B" at 64.595,7.514 h0.9
  text "SWDIO" at 54.566,6.61 h0.9
  text "SWDCLK" at 57.185,6.599 h0.9
  text "SCL_N" at 28.331,6.36 h0.8
  text "SCL_P" at 30.904,6.36 h0.8
  text "SDA_P" at 33.382,6.36 h0.8
  text "SDA_N" at 35.868,6.36 h0.8
  text "CAN_N" at 46.52,6.36 h0.9
  text "CAN_P" at 49.355,6.36 h0.9
  text "PROGRAMMING CONNECTOR" at 61.125,2.142 h0.7 r90
  text "PYRO 1       ON" at 14.977,0.918 h0.9
  text "PYRO 2      ON" at 62.052,0.872 h0.9
  text "RESET" at 8.482,0.816 h1
  text "GND" at 57.212,0.373 h0.9
  text "3V3" at 54.62,0.35 h0.9
Mechanical 13:
  the board outline again, w0.1